# Altium PCB car.PcbDoc
Units mm, origin at the board's own origin, x right, y up, seen from the top; angles counter-clockwise.
Board outline 92.27 x 90.27 mm, 2 copper layers (Top Layer, Bottom Layer); 148 components, 103 nets, 501 pads, 145 vias.
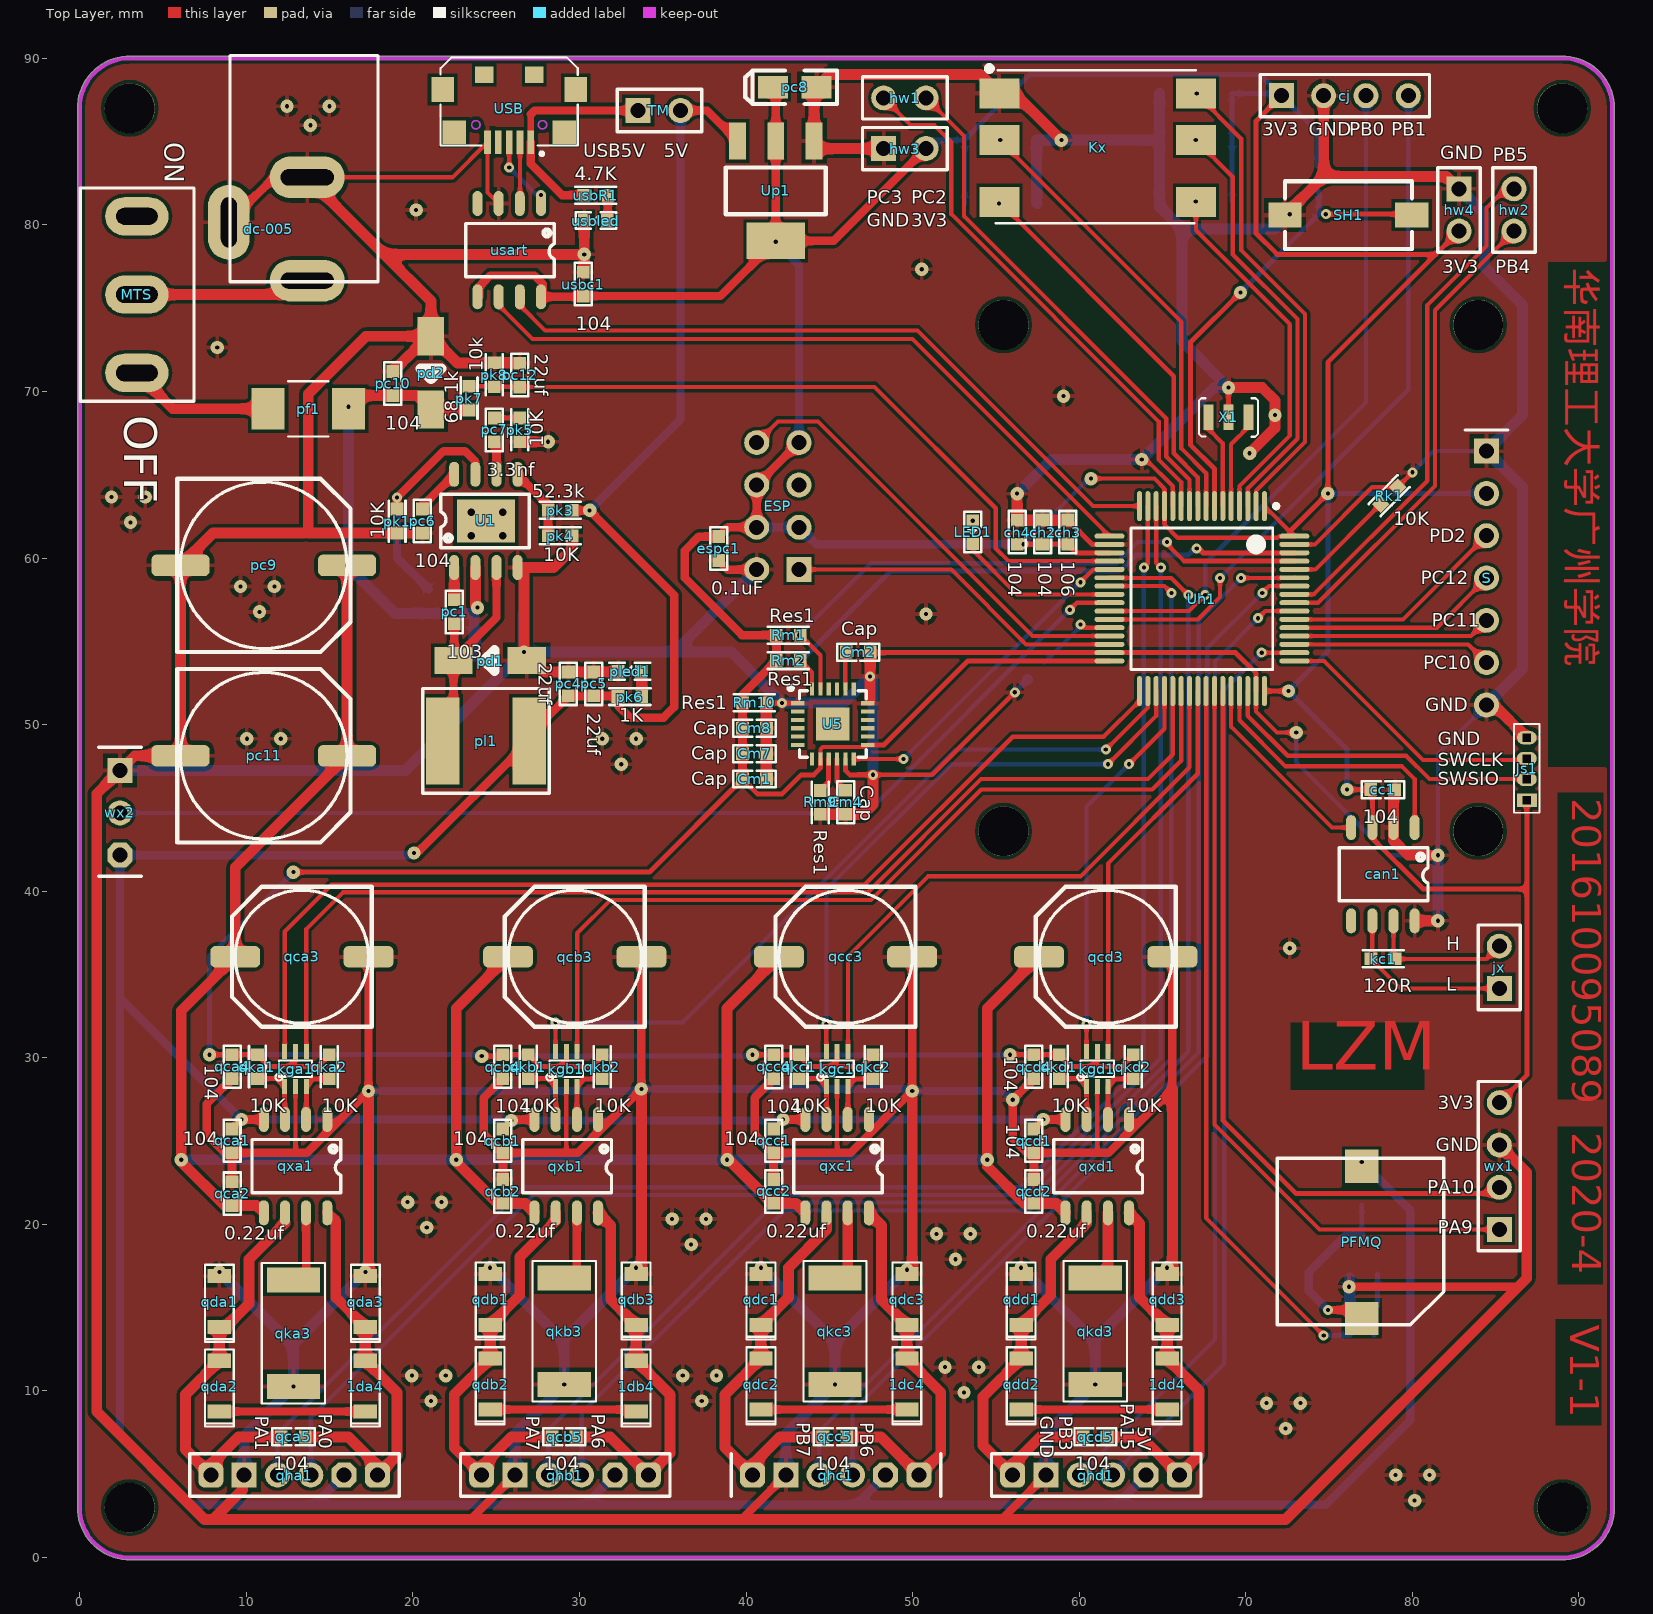
[diagram p0: Top Layer view]
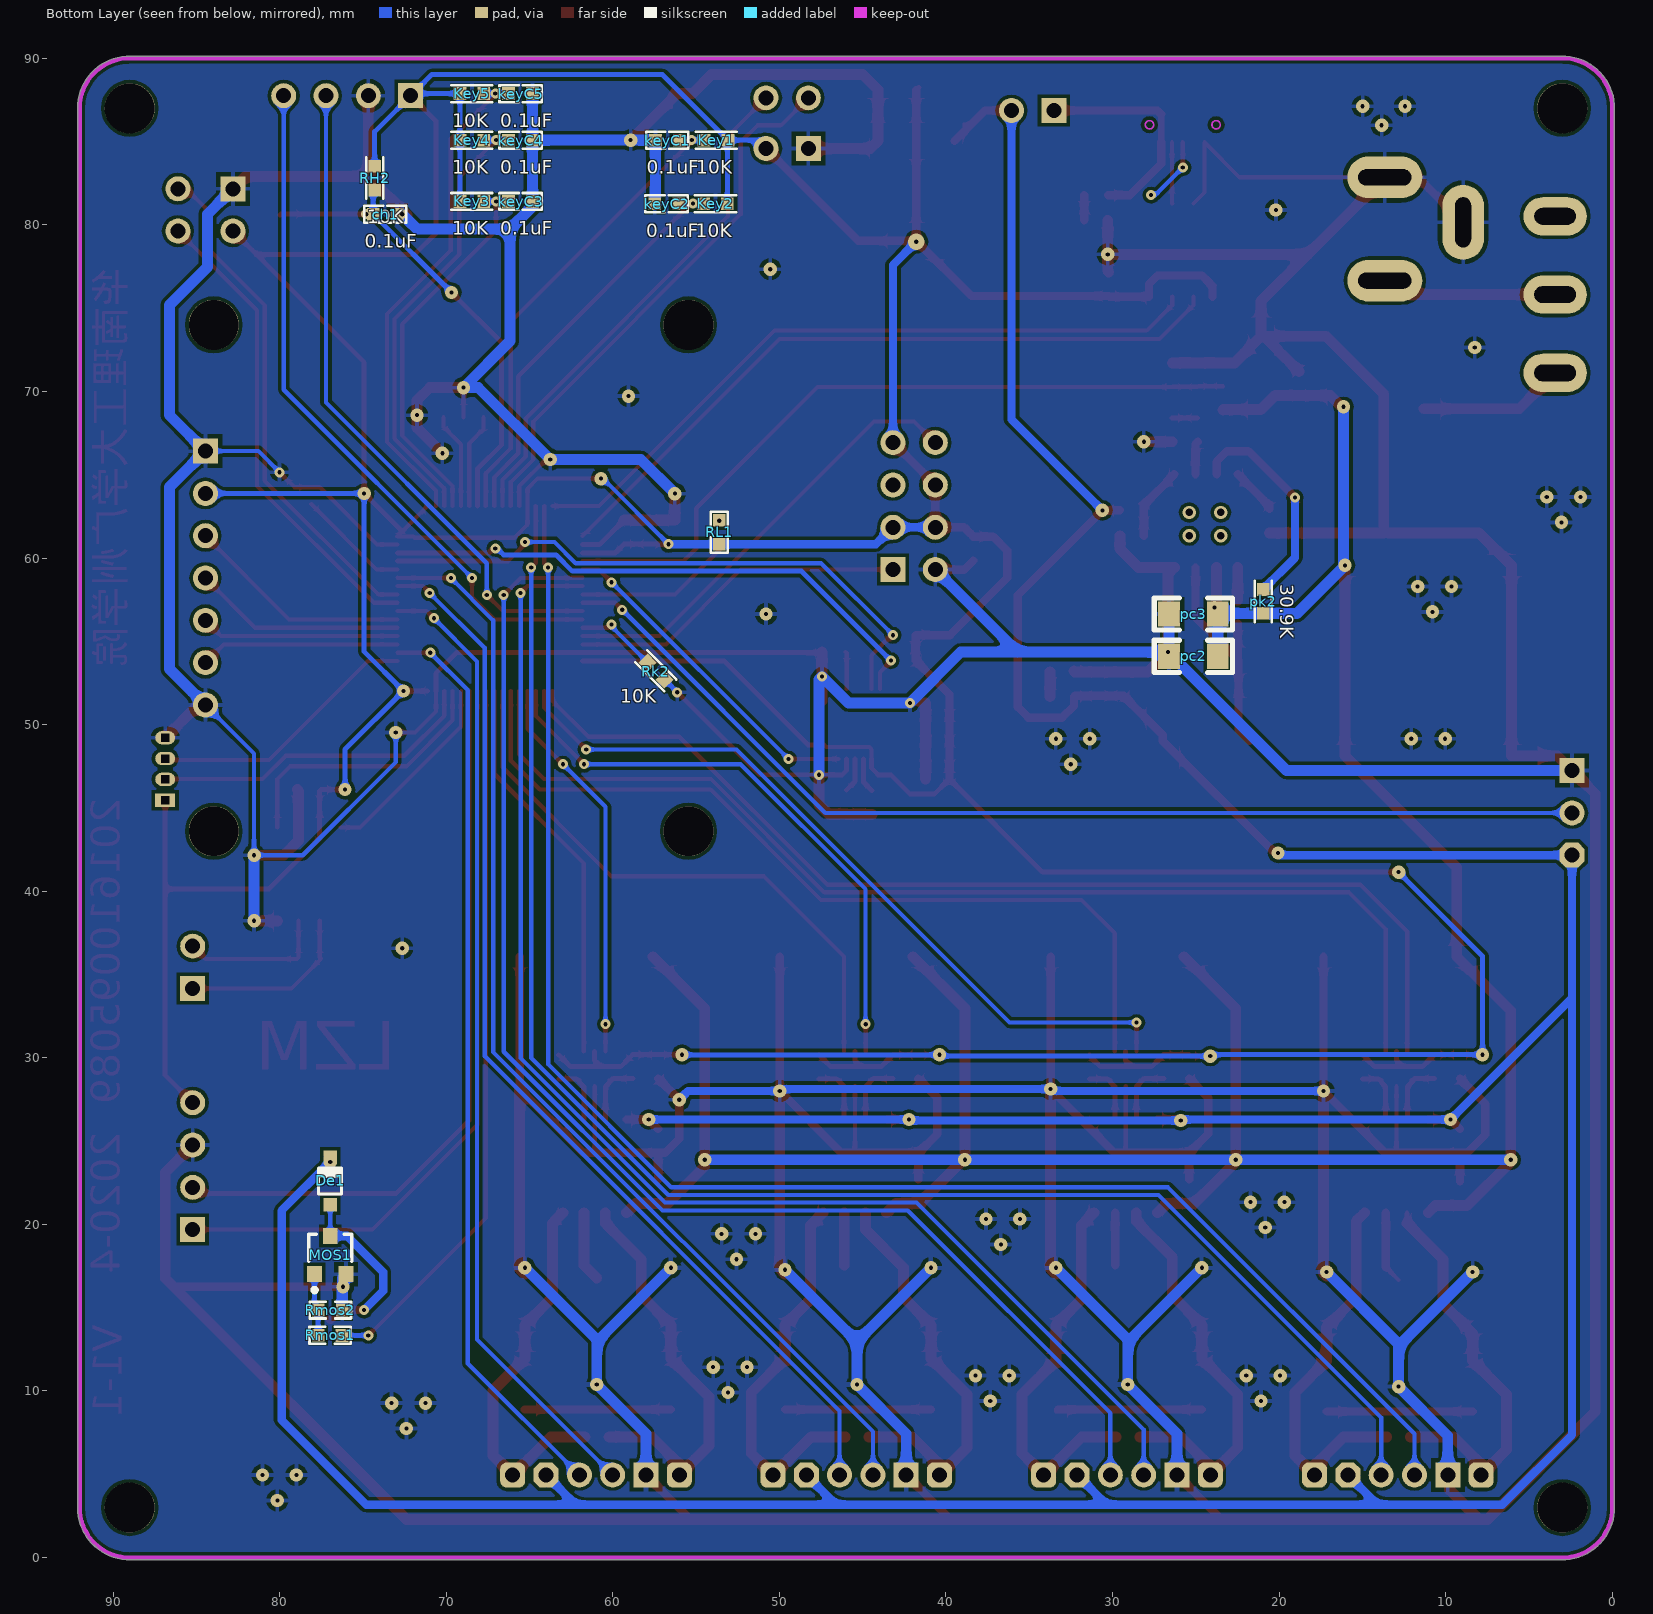
[diagram p1: Bottom Layer view, seen from below]

## Layer stack, top to bottom
Top Solder: solder mask 0.0102, Solder Resist, Dk 3.5
Top Layer: signal copper 0.0356
Dielectric 1: dielectric 0.32, FR-4, Dk 4.8
Bottom Layer: signal copper 0.0356
Bottom Solder: solder mask 0.0102, Solder Resist, Dk 3.5

## Board outline
-0.134,3.05 ccw(c3,3) 3.05,-0.134 ccw(c3.048,-0.006) 3.088,-0.127 88.912,-0.127 ccw(c88.952,-0.006) 88.95,-0.134 ccw(c89,3) 92.134,3 ccw(c89,3) 92.134,3.05 ccw(c92.006,3.048) 92.127,3.088 92.127,86.912 ccw(c92.006,86.952) 92.134,86.95 ccw(c89,87) 92.134,87 ccw(c89,87) 88.95,90.134 ccw(c88.952,90.006) 88.912,90.127 3.088,90.127 ccw(c3.048,90.006) 3.05,90.134 ccw(c3,87) -0.134,86.95 ccw(c-0.006,86.952) -0.127,86.912 -0.127,3.088 ccw(c-0.006,3.048)

## Design rules (kind name [scope] priority, off if disabled: settings)
Clearance [All] p1: gap=0.2
PolygonConnect [All] p1: connectstyle=Relief reliefconductorwidth=0.254 reliefentries=4 polygonreliefangle="90 Angle" airgapwidth=0.254
RoutingVias [All] p1: holewidth=0.711 width=1.27 viastyle="Through Hole" minholewidth=0.711 minwidth=1.27 maxholewidth=0.711 maxwidth=1.27
SolderMaskExpansion [All] p1: expansion=0.102
Width Width_1 [InNet('3V3')] p1: maxlimit=1 minlimit=0.2 preferedwidth=0.3
Width [All] p2: maxlimit=1 minlimit=0.2 preferedwidth=0.254
30 further rules are at their usual default settings.

## Components (designator, comment, footprint, x,y, rotation, side; value= is the part's Value field where it differs from the comment)
1da4 "dsk14" SOD-123 17.145,10.287 r270 top
1db4 "dsk14" SOD-123 33.401,10.287 r270 top
1dc4 "dsk14" SOD-123 49.657,10.414 r270 top
1dd4 "dsk14" SOD-123 65.278,10.414 r270 top
can1 "SN65HVD230" SOIC-8 78.232,41.021 r270 top
cc1 "104" C0603 78.232,46.101 r180 top
ch1 "0.1uF" C0603 73.66,80.645 r0 bottom
ch2 "104" C0603 57.798,61.557 r90 top
ch3 "106" C0603 59.322,61.557 r90 top
ch4 "104" C0603 56.274,61.557 r270 top
cj "激光测距" HDR1X4 72.136,87.757 r0 top
Cm1 "Cap" C0603 40.513,46.736 r180 top
Cm2 "Cap" C0603 46.736,54.356 r180 top
Cm4 "Cap" C0603 45.974,45.339 r90 top
Cm7 "Cap" C0603 40.513,48.26 r180 top
Cm8 "Cap" C0603 40.513,49.784 r180 top
dc-005 "5.5*2.1" DC-005 11.303,79.756 r270 top
De1 "BAT54WS" SOD-323 76.962,22.606 r270 bottom
ESP "Header 2X4" HDE2X4_2.54 43.18,59.309 r90 top
espc1 "0.1uF" C0603 38.354,60.579 r270 top
hw1 "红外" HDR1X2_2.54#1 50.8,87.63 r180 top
hw2 "红外" HDR1X2_2.54#1 86.106,79.629 r90 top
hw3 "红外" HDR1X2_2.54#2 50.8,84.582 r180 top
hw4 "红外" HDR1X2_2.54#2 82.804,79.629 r90 top
Js1 "SWD" 1X4_1_25 86.868,45.466 r90 top
jx "两脚接口" HDR1X2_2.54#2 85.217,36.703 r270 top
kc1 "120R" R0603 78.232,35.941 r0 top
Key1 "10K" R0603 53.81,85.092 r180 bottom
Key2 "10K" R0603 53.848,81.28 r180 bottom
Key3 "10K" R0603 68.453,81.407 r0 bottom
Key4 "10K" R0603 68.453,85.09 r0 bottom
Key5 "10K" R0603 68.453,87.884 r0 bottom
keyC1 "0.1uF" C0603 56.731,85.092 r180 bottom
keyC2 "0.1uF" C0603 56.769,81.28 r180 bottom
keyC3 "0.1uF" C0603 65.532,81.407 r0 bottom
keyC4 "0.1uF" C0603 65.532,85.09 r0 bottom
keyC5 "0.1uF" C0603 65.532,87.884 r0 bottom
kga1 "BL1551" SOT-363 12.954,29.337 r90 top
kgb1 "BL1551" SOT-363 29.21,29.337 r90 top
kgc1 "BL1551" SOT-363 45.466,29.337 r90 top
kgd1 "BL1551" SOT-363 61.087,29.337 r90 top
Kx "xiangdaoKey" daohangKey 60.706,85.09 r0 top
LED1 "BLUE" L0603 53.61,61.557 r270 top
MOS1 "SI2302" SO-G3/C2.5 76.962,18.161 r180 bottom
MTS "MTS" MTS-102 3.429,75.819 r90 top
pc1 "103" C0603 22.479,56.769 r90 top
pc2 "106-35" 1206 25.146,54.102 r180 bottom
pc3 "106-35" 1206 25.146,56.642 r180 bottom
pc4 "22uf" C0603 29.337,52.451 r270 top
pc5 "22uf" C0603 30.861,52.451 r270 top
pc6 "104" C0603 20.574,62.23 r270 top
pc7 "3.3nf" C0603 24.892,67.691 r90 top
pc8 "Cap Pol2" C1206钽 42.926,88.265 r180 top
pc9 "Cap Pol2" CED10 11.049,59.563 r180 top
pc10 "104" C0603 18.796,70.485 r270 top
pc11 "Cap Pol2" CED10 11.049,48.133 r180 top
pc12 "22uf" C0603 26.416,70.993 r270 top
pd1 "SS34" SMA(DO-214AC) 24.638,53.848 r180 top
pd2 "SS34" SMA(DO-214AC) 21.082,71.12 r270 top
pf1 "bxs" 2410 13.716,68.961 r0 top
PFMQ "蜂鳴器" FMQ_tp 71.882,13.97 r0 top
pk1 "10K" R0603 19.05,62.23 r270 top
pk2 "30.9K" R0603 20.955,57.404 r270 bottom
pk3 "52.3k" R0603 28.829,62.865 r0 top
pk4 "10K" R0603 28.829,61.341 r0 top
pk5 "10K" R0603 26.416,67.691 r90 top
pk6 "1K" R0603 33.02,51.689 r0 top
pk7 "68.1k" R0603 23.368,69.596 r90 top
pk8 "10k" R0603 24.892,70.993 r90 top
pl1 "10uH" 6028 24.384,49.022 r90 top
pled1 "bled" LED0603 33.02,53.213 r180 top
qca1 "104" C0603 9.144,25.019 r270 top
qca2 "0.22uf" C0603 9.144,21.844 r90 top
qca3 "Cap Pol2" CED8 13.335,36.068 r0 top
qca4 "104" C0603 9.144,29.464 r90 top
qca5 "104" C0603 12.827,7.239 r180 top
qcb1 "104" C0603 25.4,25.019 r270 top
qcb2 "0.22uf" C0603 25.4,21.971 r90 top
qcb3 "Cap Pol2" CED8 29.718,36.068 r0 top
qcb4 "104" C0603 25.4,29.464 r90 top
qcb5 "104" C0603 29.083,7.239 r180 top
qcc1 "104" C0603 41.656,25.019 r270 top
qcc2 "0.22uf" C0603 41.656,21.971 r90 top
qcc3 "Cap Pol2" CED8 45.974,36.068 r0 top
qcc4 "104" C0603 41.656,29.456 r90 top
qcc5 "104" C0603 45.339,7.239 r180 top
qcd1 "104" C0603 57.277,25.019 r270 top
qcd2 "0.22uf" C0603 57.277,21.971 r90 top
qcd3 "Cap Pol2" CED8 61.595,36.068 r0 top
qcd4 "104" C0603 57.277,29.464 r90 top
qcd5 "104" C0603 60.96,7.239 r180 top
qda1 "dsk14" SOD-123 8.382,15.367 r270 top
qda2 "dsk14" SOD-123 8.382,10.287 r270 top
qda3 "dsk14" SOD-123 17.145,15.367 r270 top
qdb1 "dsk14" SOD-123 24.638,15.494 r270 top
qdb2 "dsk14" SOD-123 24.638,10.414 r270 top
qdb3 "dsk14" SOD-123 33.401,15.494 r270 top
qdc1 "dsk14" SOD-123 40.894,15.494 r270 top
qdc2 "dsk14" SOD-123 40.894,10.414 r270 top
qdc3 "dsk14" SOD-123 49.657,15.494 r270 top
qdd1 "dsk14" SOD-123 56.515,15.494 r270 top
qdd2 "dsk14" SOD-123 56.515,10.414 r270 top
qdd3 "dsk14" SOD-123 65.278,15.494 r270 top
qha1 "接口" HDR1X6_2.0 7.874,4.953 r0 top
qhb1 "接口" HDR1X6_2.0 24.13,4.953 r0 top
qhc1 "接口" HDR1X6_2.0 40.386,4.953 r0 top
qhd1 "接口" HDR1X6_2.0 56.007,4.953 r0 top
qka1 "10K" R0603 10.668,29.464 r90 top
qka2 "10K" R0603 14.986,29.464 r270 top
qka3 "0.25Ω/1W" 2512 12.827,13.462 r270 top
qkb1 "10K" R0603 26.924,29.464 r90 top
qkb2 "10K" R0603 31.369,29.464 r270 top
qkb3 "0.25Ω/1W" 2512 29.083,13.589 r270 top
qkc1 "10K" R0603 43.18,29.456 r90 top
qkc2 "10K" R0603 47.625,29.464 r270 top
qkc3 "0.25Ω/1W" 2512 45.339,13.589 r270 top
qkd1 "10K" R0603 58.801,29.464 r90 top
qkd2 "10K" R0603 63.246,29.464 r270 top
qkd3 "0.25Ω/1W" 2512 60.96,13.589 r270 top
qxa1 "A4951" SOIC-8 12.954,23.495 r270 top
qxb1 "A4951" SOIC-8 29.21,23.495 r270 top
qxc1 "A4951" SOIC-8 45.466,23.495 r270 top
qxd1 "A4951" SOIC-8 61.087,23.495 r270 top
RH2 "10K" R0603 74.295,82.804 r90 bottom
Rk1 "10K" R0603 78.613,63.754 r225 top
Rk2 "10K" R0603 57.404,53.213 r45 bottom
RL1 "4.7K" 0603P 53.607,61.557 r270 bottom
Rm1 "Res1" R0603 42.545,55.372 r180 top
Rm2 "Res1" R0603 42.545,53.848 r180 top
Rm9 "Res1" R0603 44.45,45.339 r270 top
Rm10 "Res1" R0603 40.513,51.308 r180 top
Rmos1 "100R" 0603P 76.962,13.335 r0 bottom
Rmos2 "10K" 0603P 76.962,14.859 r180 bottom
S "OLED" HDR1X7_2.54 84.455,66.421 r270 top
SH1 "SW_PB" KEY1 76.073,80.518 r0 top
TM "跳冒" HDR1X2_2.54#2 36.068,86.868 r180 top
U1 "MP2303ADN" MP2303A 24.384,62.23 r90 top
U5 "MPU6050" QFN24 45.212,50.038 r0 top
Uh1 "STM32F103RC" LQFP64 71.12,63.119 r270 top
Up1 "AMS1117-3.3" LC-SOT-223 41.783,82.042 r270 top
usart "ch340" SOIC-8 25.781,78.486 r270 top
USB "MICRO-USB" MICRO_USB5P_SOP 25.781,84.963 r0 top
usbc1 "104" C0603 30.226,76.454 r270 top
usbled "BLUE" L0603 30.988,80.264 r180 top
usbR1 "4.7K" R0603 30.988,81.788 r180 top
wx1 "USART1" HDR1X4 85.217,19.685 r90 top
wx2 "rgb引脚" HDR1X3_2.54 2.413,42.164 r90 top
X1 "8MHz" XTAL3215 68.961,68.453 r180 top

## Footprints (in the part's own frame and the unit in brackets; to place one, negate y for a bottom-side part, rotate by r counter-clockwise, add the part's x,y. Pads: shape width x height; smd on the part's side, far side on the other; paste and mask are expansions set on the pad)
1X4_1_25 [mm]
  rect 0.8x1.2 hole 0.48 square: 1(0,0)
  oval 0.8x1.2 hole 0.48 square: 2(1.25,0) 3(2.5,0) 4(3.75,0)
  silkscreen extent -0.76,-0.76 4.57,0.76
0603P [mil]
  rect 30x30 smd: 1(-28,0) 2(28.5,-0.06)
  silkscreen extent -48,-20 49,20
1206 [mil]
  rect 51.18x60 smd: 1(-57.5,0) 2(57.5,0)
  silkscreen extent -93,-38 93,38
2410 [mm]
  rect 2x2.5 smd: 1(-2.413,0) 2(2.413,0)
  silkscreen extent -1.2,-1.65 1.2,1.65
2512 [mm]
  rect 1.5x3.2 smd: 1(-3.2,0) 2(3.2,0)
  silkscreen extent -4.22,-1.9 4.22,1.9
6028 [mm]
  rect 5.2x2 smd: 1(0,2.6) 2(0,-2.6)
  silkscreen extent -3.15,-3.81 3.15,3.8
C0603 [mil]
  rect 30x30 smd: 1(-28,0) 2(28.5,-0.06)
  silkscreen extent -50,-20 50,20
C1206钽 [mm]
  rect 1.8x1.35 smd: 1(1.31,0) 2(-1.31,0)
  silkscreen extent -2.54,-1 2.97,1, body extent -1.7,-0.84 1.7,0.84, height 1.71
CED8 [mm] "底座为8*8的贴片点解电容"
  rrect50% 3x1.3 smd: 1(-4,0) 2(4,0)
  silkscreen extent -4.2,-4.2 4.2,4.2, body extent -3.5,-3.3 3.5,3.3, height 7.7
CED10 [mm] "电解电容"
  rrect50% 3.5x1.3 smd: 1(-5,0) 2(5,0)
  silkscreen extent -5.2,-5.2 5.2,5.2, body extent -4.47,-4.12 4.53,4.18, height 10.5
daohangKey [mm] "导向按键"
  rect 2.4x1.8 smd: 1(-5.5,2.8) 2(-5.5,0) 3(-5.5,-3.7) 4(6.3,2.8) 5(6.3,0) 6(6.3,-3.7)
  silkscreen extent -6.3,-5 6.3,4.5
DC-005 [mm]
  oval 2.5x4.5 hole 0.953 slot 3.2 at 90 deg: 1(3.1,2.35) 3(-3.1,2.35)
  oval 4.5x2.5 hole 0.953 slot 3 at 0 deg: 2(-0.4,-2.35)
  silkscreen extent -10.41,-2.29 3.18,6.6
FMQ_tp [mm] "Connector; Header; 6 Position"
  rect 2x2 smd: 1(5.08,9.525) 2(5.08,0.381)
  silkscreen extent 0,0 10,10
HDE2X4_2.54 [mm]
  rect 1.5x1.5 hole 0.9: 1(0,0)
  round 1.5 hole 0.9: 2(0,2.54) 3(2.54,0) 4(2.54,2.54) 5(5.08,0) 6(5.08,2.54) 7(7.62,0) 8(7.62,2.54)
HDR1X2_2.54#1 [mm] "Connector; Header; 6 Position"
  round 1.5 hole 0.9: 1(0,0) 2(2.54,0)
  silkscreen extent -1.27,-1.27 3.81,1.27
HDR1X2_2.54#2 [mm] "Connector; Header; 6 Position"
  round 1.5 hole 0.9: 1(0,0)
  rect 1.5x1.5 hole 0.9: 2(2.54,0)
  silkscreen extent -1.27,-1.27 3.81,1.27
HDR1X3_2.54 [mm] "Connector; Header; 6 Position"
  oct 1.5x1.5 hole 0.9: 1(0,0)
  round 1.5 hole 0.9: 2(2.54,0)
  rect 1.5x1.5 hole 0.9: 3(5.08,0)
  silkscreen extent -1.27,-1.27 6.48,1.27
HDR1X4 [mm] "Connector; Header; 4 Position"
  rect 1.5x1.5 hole 0.9: 1(0,0)
  round 1.5 hole 0.9: 2(2.54,0) 3(5.08,0) 4(7.62,0)
  silkscreen extent -1.27,-1.27 8.89,1.27
HDR1X6_2.0 [mm] "Connector; Header; 6 Position"
  rrect50% 1.5x1.5 hole 0.9: 1(0,0) 6(10,0)
  rect 1.5x1.5 hole 0.9: 2(2,0)
  round 1.5 hole 0.9: 3(4,0) 4(6,0)
  oct 1.5x1.5 hole 0.9: 5(8,0)
  silkscreen extent -1.27,-1.27 11.3,1.27
HDR1X7_2.54 [mm] "Connector; Header; 6 Position"
  rect 1.5x1.5 hole 0.9: 1(0,0)
  round 1.5 hole 0.9: 2(2.54,0) 3(5.08,0) 4(7.62,0) 5(10.16,0) 6(12.7,0) 7(15.24,0)
  silkscreen extent -1.27,-1.27 -1.27,1.27
KEY1 [mm] "拨动开关"
  rect 2x1.5 smd: 1(-3.721,0.072) 2(3.899,0.072)
  silkscreen extent -3.72,-1.96 3.9,2.1
L0603 [mil] "LED"
  rect 30x30 smd: 1(-27,0) 2(27.5,-0.06)
  silkscreen extent -48,-20 48,20
LC-SOT-223 [mm]
  rect 2.2x1 smd: 1(-3,2.3) 2(-3,0) 3(-3,-2.3)
  rect 2.2x3.5 smd: 4(3,0)
  silkscreen extent -1.4,-3 1.4,3, body extent -3.49,-3.24 3.49,3.24, height 1.64
LED0603 [mil] "LED"
  rect 30x30 smd: 1(-27,0) 2(27.5,-0.06)
  silkscreen extent -48,-20 48,20
LQFP64 [mm]
  oval 1.8x0.3 smd: 1(0,0) 2(0,-0.5) 3(0,-1) 4(0,-1.5) 5(0,-2) 6(0,-2.5) 7(0,-3) 8(0,-3.5) 9(0,-4) 10(0,-4.5) 11(0,-5) 12(0,-5.5) 13(0,-6) 14(0,-6.5) 15(0,-7) 16(0,-7.5) 33(11.1,-7.5) 34(11.1,-7) 35(11.1,-6.5) 36(11.1,-6) 37(11.1,-5.5) 38(11.1,-5) 39(11.1,-4.5) 40(11.1,-4) 41(11.1,-3.5) 42(11.1,-3) 43(11.1,-2.5) 44(11.1,-2) 45(11.1,-1.5) 46(11.1,-1) 47(11.1,-0.5) 48(11.1,0)
  oval 0.3x1.8 smd: 17(1.8,-9.3) 18(2.3,-9.3) 19(2.8,-9.3) 20(3.3,-9.3) 21(3.8,-9.3) 22(4.3,-9.3) 23(4.8,-9.3) 24(5.3,-9.3) 25(5.8,-9.3) 26(6.3,-9.3) 27(6.8,-9.3) 28(7.3,-9.3) 29(7.8,-9.3) 30(8.3,-9.3) 31(8.8,-9.3) 32(9.3,-9.3) 49(9.3,1.8) 50(8.8,1.8) 51(8.3,1.8) 52(7.8,1.8) 53(7.3,1.8) 54(6.8,1.8) 55(6.3,1.8) 56(5.8,1.8) 57(5.3,1.8) 58(4.8,1.8) 59(4.3,1.8) 60(3.8,1.8) 61(3.3,1.8) 62(2.8,1.8) 63(2.3,1.8) 64(1.8,1.8)
  silkscreen extent -0.12,-8 9.8,0.83, body extent 0.55,-8.75 10.55,1.25, height 1.6
MICRO_USB5P_SOP [mm]
  rect 1.35x1.5 smd: 0(-4,3.16) 0(4,3.16)
  rect 1.4x1.4 smd: 0(-3.3,0.6) 0(3.3,0.6)
  rect 1.1x1 smd: 0(-1.5,4.046) 0(1.5,4.046)
  rect 0.4x1.4 smd: 1(1.3,0) 2(0.65,0) 3(0,0) 4(-0.65,0) 5(-1.3,0)
  Keep-Out Layer circle w0.1: c2,1.05 r0.25
  Keep-Out Layer circle w0.1: c-2,1.05 r0.25
  silkscreen extent -4.11,-0.79 4.11,5.08
MP2303A [mm]
  oval 1.5x0.6 smd: 1(-2.8,1.905) 2(-2.8,0.635) 3(-2.8,-0.635) 4(-2.8,-1.905) 5(2.8,-1.905) 6(2.8,-0.635) 7(2.8,0.635) 8(2.8,1.905)
  rect 2.6x3.5 smd: 9(0,0)
  silkscreen extent -1.6,-2.61 1.6,2.71
MTS-102 [mm]
  oval 2.3x3.8 hole 1 slot 2.5 at 90 deg: 1(-4.7,0) 2(0,0) 3(4.7,0)
  silkscreen extent -6.4,-3.43 6.4,3.4
QFN24 [mm] "QFN, 24-Leads, Body 4.0x4.0mm (max), Pitch 0.50mm, IPC Medium Density"
  rect 2x2 smd: 0(0,0)
  rect 0.8x0.25 smd: 1(-2.101,1.25) 2(-2.101,0.75) 3(-2.101,0.25) 4(-2.101,-0.25) 5(-2.101,-0.75) 6(-2.101,-1.25) 13(2.101,-1.25) 14(2.101,-0.75) 15(2.101,-0.25) 16(2.101,0.25) 17(2.101,0.75) 18(2.101,1.25)
  rect 0.25x0.8 smd: 7(-1.25,-2.101) 8(-0.75,-2.101) 9(-0.25,-2.101) 10(0.25,-2.101) 11(0.75,-2.101) 12(1.25,-2.101) 19(1.25,2.101) 20(0.75,2.101) 21(0.25,2.101) 22(-0.25,2.101) 23(-0.75,2.101) 24(-1.25,2.101)
  silkscreen extent -2.66,-2 2,2.28
R0603 [mil]
  rect 30x30 smd: 1(-28,0) 2(28.5,-0.06)
  silkscreen extent -48,-20 49,20
SMA(DO-214AC) [mm] "可用：ss34"
  rect 2.3x1.6 smd: 1(-2.2,0) 2(2.2,0)
  silkscreen extent -0.25,-0.64 0.38,0.64
SO-G3/C2.5 [mm]
  rect 0.9x0.95 smd: 1(-0.95,-1.148) 2(0.95,-1.148) 3(0,1.148)
  silkscreen extent -1.3,-2.23 1.3,1.25
SOD-123 [mm]
  rect 0.85x1.4 smd: 1(-1.525,0) 2(1.525,0)
  silkscreen extent -2.21,-0.86 2.41,0.86
SOD-323 [mm]
  rect 0.8x0.8 smd: 1(1.422,0) 2(-1.422,0)
  silkscreen extent -0.79,-0.74 0.79,0.69
SOIC-8 [mm] "a4950、mp2303a"
  oval 1.5x0.6 smd: 1(-2.8,1.905) 2(-2.8,0.635) 3(-2.8,-0.635) 4(-2.8,-1.905) 5(2.8,-1.905) 6(2.8,-0.635) 7(2.8,0.635) 8(2.8,1.905)
  silkscreen extent -1.6,-2.61 1.6,2.71
SOT-363 [mm]
  rect 0.9x0.3 smd: 1(-1.05,0.65) 2(-1.05,0) 3(-1.05,-0.65) 4(1.05,-0.65) 5(1.05,0) 6(1.05,0.65)
  silkscreen extent -0.7,-1 0.5,1.2
XTAL3215 [mm]
  rect 0.6x1.524 smd: 1(-1.2,0) 2(0,0) 3(1.2,0)
  silkscreen extent -1.78,-1.14 1.78,1.17

## Part data
1da4 1db4 1dc4 1dd4 pd1 pd2 qda1 qda2 qda3 qdb1 qdb2 qdb3 qdc1 qdc2 qdc3 qdd1 qdd2 qdd3: library part "D Schottky", "ST SS34"
cc1 ch1 ch2 ch3 ch4 espc1 keyC1 keyC2 keyC3 keyC4 keyC5 pc1 pc2 pc3 pc4 pc5 pc6 pc7 pc10 pc12 qca1 qca2 qca4 qca5 qcb1 qcb2 qcb4 qcb5 qcc1 qcc2 qcc4 qcc5 qcd1 qcd2 qcd4 qcd5 usbc1: library part C
cj wx1: library part "Header 4", "Header, 4-Pin"
Cm1 Cm2 Cm4 Cm7 Cm8: "Capacitor"
dc-005: library part dc-005, "dc-005"
De1: library part BAT54, "单肖特基二极管"
ESP: "HDE2X4"
hw1 hw2 hw3 hw4 jx PFMQ TM: library part "Header 2", "Header, 2-Pin"
Js1: library part "Header, 1*4-Pin"
kc1 Key1 Key2 Key3 Key4 Key5 pk1 pk2 pk3 pk4 pk5 pk6 pk7 pk8 qka1 qka2 qka3 qkb1 qkb2 qkb3 qkc1 qkc2 qkc3 qkd1 qkd2 qkd3 RH2 Rk1 Rk2 RL1 Rmos1 Rmos2 usbR1: library part R
Kx: library part XD_Key
LED1 pled1 usbled: library part LED
MOS1: library part MOS-N, "AP2306"
pc8 pc9 pc11 qca3 qcb3 qcc3 qcd3: "Polarized Capacitor (Axial)"
pf1: library part "Fuse 2", "Fuse"
pl1: library part LS1
qha1 qhb1 qhc1 qhd1: library part "Header 6", "Header, 6-Pin"
Rm1 Rm2 Rm9 Rm10: "Resistor"
S: library part "Header 1X7_2_54", "7pin2_54mm"
SH1: library part KEY_DT
U1: library part MP2303A, "MPS MP2303ADN-LF-Z"
U5: library part MPU9250, "9轴运动处理传感器"
Up1: library part 1117-3.3, "SOT-223"
USB: library part USB5
wx2: library part "Header 3_1", "Header 3_1"
X1: library part XTAL-3215

## Free pads (board coordinates)
  round 3 hole 3 unplated: 1(83.955,74) 2(83.955,43.6) 3(3,3) 3(3,87) 3(55.455,74) 3(89,3) 3(89,87) 4(55.455,43.6)

## Via types
v1: diameter 0.8, hole 0.25, Top Layer to Bottom Layer, 97 vias
v2: diameter 0.6, hole 0.25, Top Layer to Bottom Layer, 43 vias
v3: diameter 0.8, hole 0.45, Top Layer to Bottom Layer, 4 vias
v4: diameter 1, hole 0.25, Top Layer to Bottom Layer, 1 vias
